# Altium PCB Rat Social Box Extension.PcbDoc (continued)
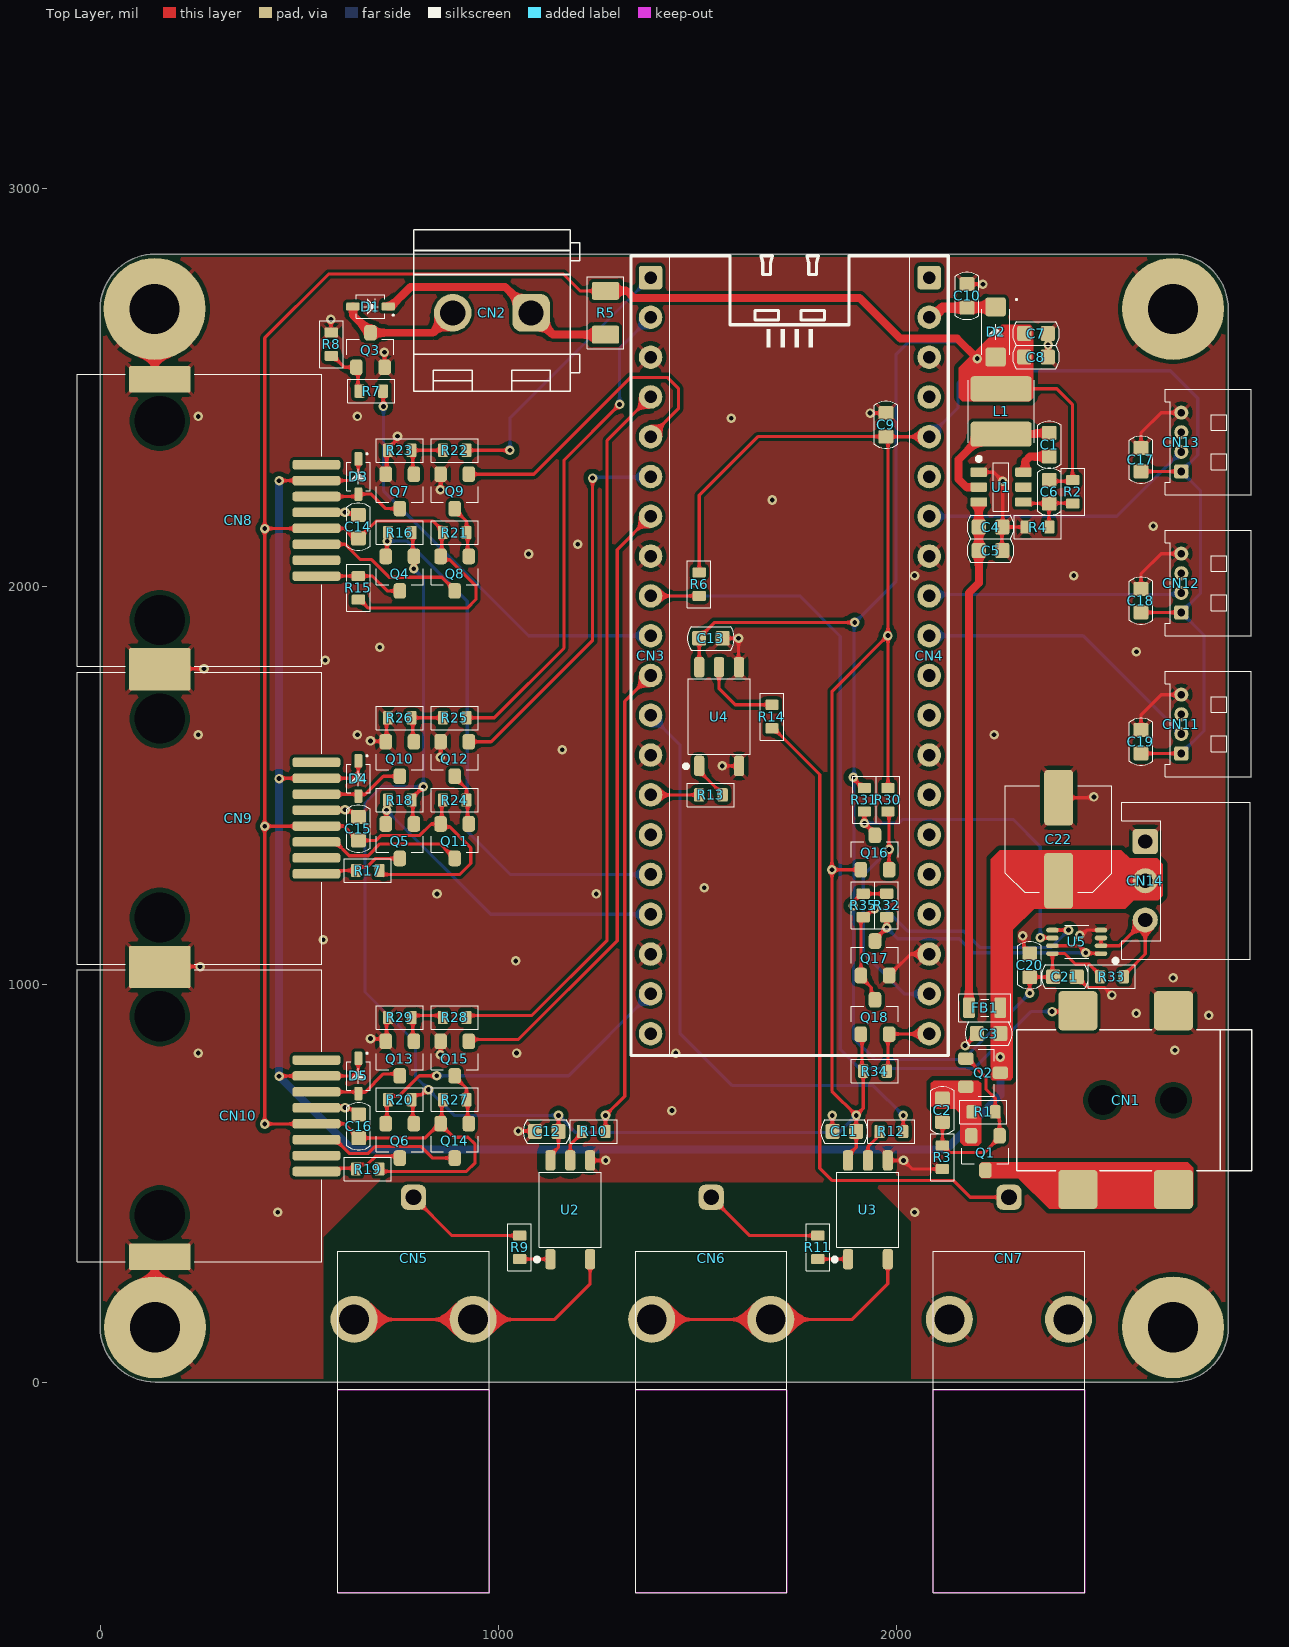
[diagram p0: Top Layer view]
## Part data
C1 C2 C5 C11 C12 C13 C21: library part CMP-611-0027-24, "0603 Multilayer Ceramic Capacitors MLCC", Capacitor Type=Ceramic, Case/Package=0603, Dielectric=X7R, LCSC Part N.=C14663, PartNumber=CC0603KRX7R9BB104, Tolerance=10%, Voltage Rating=50V, Mount=SMD, Pick&PlaceFootprint=C0603, RoHS=Yes
C3 C4 C9 C10 C14 C15 C16 C17 C18 C19 C20: library part CMP-611-0050-6, "0603 Multilayer Ceramic Capacitors MLCC", Capacitor Type=Ceramic, Case/Package=0603, Dielectric=X5R, LCSC Part N.=C96446, PartNumber=CL10A106MA8NRNC, Tolerance=20%, Voltage Rating=25V, Mount=SMD, Pick&PlaceFootprint=C0603, RoHS=Yes
C6: library part CMP-611-0038-6, "0603 Multilayer Ceramic Capacitors MLCC", Capacitor Type=Ceramic, Case/Package=0603, Dielectric=C0G, LCSC Part N.=C14858, PartNumber=CL10C101JB8NNNC, Tolerance=5%, Voltage Rating=50V, Mount=SMD, Pick&PlaceFootprint=C0603, RoHS=Yes
C7 C8: library part CMP-611-0054-4, "0603 Multilayer Ceramic Capacitors MLCC", Capacitor Type=Ceramic, Case/Package=0603, Dielectric=X5R, LCSC Part N.=C59461, PartNumber=CL10A226MQ8NRNC, Tolerance=20%, Voltage Rating=6.3V, Mount=SMD, Pick&PlaceFootprint=C0603, RoHS=Yes
C22: library part CMP-610-0003-4, "25V 220uF ±20% SMD,D6.3xL7.7mm Solid Capacitors", Capacitor Type=Solid, ESR (Equivalent Series Resistance)=35mR, LCSC Part N.=C5246541, PartNumber=HV1E477M0810PZ, Tolerance=20%, Voltage Rating=25V, Mount="Surface Mount", Pick&PlaceFootprint=EC63, RoHS=Yes
CN1: library part CMP-360-0005-6, "Surface Mount, Right Angle 2.5A 24V SMD DC Power Connector", Current Rating=2.5A, LCSC Part N.=C2880543, PartNumber=DC-005-2.5A-2.0-SMT, Voltage Rating=24V, Connector Type=Jack,Power, Contact Material="Copper Alloy", Contact Plating=Tin, Gender=Male, Mount="Surface Mount", Orientation=Horizontal, Pitch=2.0mm
CN2: library part CMP-00028-6, "1x2P 20A -40℃~+105℃ 250V Green 12~22 Direct Insert 5mm 2.5 1 2 Plugin,P=5mm Screw Terminal Blocks", LCSC Part N.=C8269, PartNumber=WJ128V-5.0-2P, Gender=Male, Mount="Thought Hole", Number of Contacts=2, Number of Positions=2, Number of Rows=1, Orientation=Straight, Pitch=5mm
CN3 CN4: library part CMP-380-0017-2, "8.5mm Square Hole TH,P=2.54mm Female Headers", LCSC Part N.=C429947, PartNumber=22850120ANG1SYA01, Gender=Female, Mount=TH, Number of Contacts=20, Number of Positions=20, Number of Rows=1, Orientation=Straight, Pitch=2.54mm
CN5 CN6 CN7: library part CMP-730-0012-1, "50 Ohms, BNC Right-Angle PCB Jack Receptacle, Nickel Plated Zinc Alloy Body, Low Profile", Clock Frequency=4GHz, LCSC Part N.=C3174924, PartNumber=731000105, Voltage Rating=500V, Body Plating=Nickel, Contact Material=Gold, Contact Plating=Gold, Gender=Female, Impedance=50Ω, Insertion Loss (dB)=0.2dB, Mount="Surface Mount", Orientation="Right Angle", Termination=Solder
CN8 CN9 CN10: library part CMP-390-0000-8, "CONN MOD JACK 8P8C R/A SHIELDED", LCSC Part N.=C125076, PartNumber=6339160-1, Element Configuration=Single, Gender=Female, Number of Contacts=8, Orientation="Right Angle", Pitch=1.02mm, Shielding=Shielded, Termination=SMD/SMT
CN11 CN12 CN13: library part CMP-370-0050-2, "Conn Shrouded Header (4 Sides) HDR 4 POS 1.25mm Solder RA Side Entry Thru-Hole PicoBlade™ Tray", Current Rating=1A, LCSC Part N.=C588275, PartNumber=53048-0410, Gender=Male, Mount="Surface Mount", Number of Contacts=4, Number of Rows=1, Orientation="Right Angle", Pitch=1.25mm
CN14: library part CMP-370-0057-1, "Conn Shrouded Header (3 Sides) HDR 3 POS 2.5mm Solder RA Side Entry Thru-Hole Box", Current Rating=3A, LCSC Part N.=C263754, PartNumber=S3B-EH(LF)(SN), Contact Material="Copper, Tin", Contact Plating=Tin, Gender=Male, Mount="through hole", Number of Contacts=3, Number of Positions=3, Number of Rows=1, Orientation="Right Angle", Pitch=2.5mm
D1 D3 D4 D5: library part CMP-820-0007-2, "100V Single 1.25V@150mA 4ns 150mA SOD-323 Switching Diode", Forward Voltage=1.25V, LCSC Part N.=C2128, Max Reverse Voltage=100V, Rectified Current=150mA, Mount="Surface Mount", PartNumber=1N4148SW, Pick&PlaceFootprint=SOD-323
D2: library part CMP-821-0014-2, "Diode Schottky 60V 0.5A 2-Pin SOD-123 T/R", Forward Voltage=440mV, LCSC Part N.=C117950, Max Reverse Voltage=60V, Rectified Current=15A, Mount="Surface Mount", PartNumber=SBR0560S1-7, Pick&PlaceFootprint=SOD123
FB1: library part CMP-600-0000-6, "Ferrite Chip, 1 Function(s), 0.5A, 2 Pin(s)", Current Rating=500mA, DC Resistance-Max=300mR, LCSC Part N.=C1017, PartNumber=GZ2012D601TF
L1: library part CMP-620-0008-4, "Inductor Power Shielded Wirewound 100uH 20% 100KHz Ferrite 450mA DCR 1515 Blister T/R", DC Resistance (DCR)=1R4, LCSC Part N.=C20339, PartNumber=VLCF4020T-101MR26, RMS Current (Irms)=450mA, Saturation Current=260mA, Tolerance=20%
Q1 Q2 Q8 Q11 Q14: library part CMP-810-0003-2, "30V 4A 44mΩ@10V,4.3A 1.4W 1.3V@250uA 1 PChannel SOT-23-3L MOSFETs", Drain Current (Id)=-4A, Drain-Source Voltage (Vds)=-30V, Gate-Source Voltage (Vgs)=12V, LCSC Part N.=C15127, Power Dissipation=1.4W, Mount="Surface Mount", PartNumber=AO3401A, Pick&PlaceFootprint=SOT-23, Polarity="P Channel", RDS(ON)=44mR, Switching Time=60ns
Q3 Q7 Q10 Q13: library part CMP-810-0000-7, "160V 300mW 200@10mA 5V 600mA NPN SOT-23 Bipolar Transistor", Collector Current (IC)=600mA, Collector-Base Voltage (VCBO)=180V, Collector-Emitter Voltage( VCEO)=160V, Emitter-Base Voltage  (VEBO)=6V, LCSC Part N.=C2145, Power Dissipation=300mW, Transition Frequency=100MHz, Mount="Surface Mount", PartNumber=MMBT5551, Pick&PlaceFootprint=SOT-23, Polarity=NPN
Q4 Q5 Q6 Q9 Q12 Q15 Q16 Q17 Q18: library part CMP-810-0002-2, "30V 5.7A 26.5mΩ@10V,5.7A 1.4W 1.5V@250uA 1 NChannel SOT-23-3L MOSFETs", Drain Current (Id)=5.7A, Drain-Source Voltage (Vds)=30V, Gate-Source Voltage (Vgs)=12V, LCSC Part N.=C20917, Power Dissipation=1.4W, Mount="Surface Mount", PartNumber=AO3400A, Pick&PlaceFootprint=SOT-23, Polarity="N Channel", RDS(ON)=26.5mR, Switching Time=34.5ns
R1 R21 R24 R27: library part CMP-633-0066-20, "100mW Thick Film Resistors 75V ±100ppm/℃ ±1% 0603 Chip Resistor", Case/Package=0603, LCSC Part N.=C22935, Number of Resistors=1, PartNumber=0603WAF1004T5E, Power Rating=100mW, Tolerance=1%, Voltage Rating=75V, Mount="Surface Mount", Pick&PlaceFootprint=R0603
R2: library part CMP-633-0126-1, "100mW Thick Film Resistors 75V ±100ppm/℃ ±1% 0603 Chip Resistor", Case/Package=0603, LCSC Part N.=C4184, Number of Resistors=1, PartNumber=0603WAF2002T5E, Power Rating=100mW, Tolerance=1%, Voltage Rating=75V, Mount="Surface Mount", Pick&PlaceFootprint=R0603
R3 R6 R8 R23 R26 R29: library part CMP-633-0000-28, "100mW Thick Film Resistors 75V ±100ppm/℃ ±1% 0603 Chip Resistor", Case/Package=0603, LCSC Part N.=C25803, Number of Resistors=1, PartNumber=0603WAF1003T5E, Power Rating=100mW, Tolerance=1%, Voltage Rating=75V, Mount="Surface Mount", Pick&PlaceFootprint=R0603
R4: library part CMP-633-0031-25, "100mW Thick Film Resistors 75V ±100ppm/℃ ±1% 0603 Chip Resistor", Case/Package=0603, LCSC Part N.=C13167, Number of Resistors=1, PartNumber=0603WAF2701T5E, Power Rating=100mW, Tolerance=1%, Voltage Rating=75V, Mount="Surface Mount", Pick&PlaceFootprint=R0603
R5: library part CMP-633-0050-10, "250mW Thick Film Resistors 200V ±800ppm/℃ ±1% 0Ω 1206 Chip Resistor", Case/Package=1206, LCSC Part N.=C17888, Number of Resistors=1, PartNumber=1206W4F0000T5E, Power Rating=250mW, Tolerance=1%, Voltage Rating=200V, Mount="Surface Mount", Pick&PlaceFootprint=1206
R7 R10 R12 R14 R22 R25 R28: library part CMP-633-0013-26, "100mW Thick Film Resistors 75V ±100ppm/℃ ±1% 0603 Chip Resistor", Case/Package=0603, LCSC Part N.=C21190, Number of Resistors=1, PartNumber=0603WAF1001T5E, Power Rating=100mW, Tolerance=1%, Voltage Rating=75V, Mount="Surface Mount", Pick&PlaceFootprint=R0603
R9 R11 R13: library part CMP-633-0020-24, "100mW Thick Film Resistors 75V ±100ppm/℃ ±1% 0603 Chip Resistor", Case/Package=0603, LCSC Part N.=C23179, Number of Resistors=1, PartNumber=0603WAF4700T5E, Power Rating=100mW, Tolerance=1%, Voltage Rating=75V, Mount="Surface Mount", Pick&PlaceFootprint=R0603
R15 R16 R17 R18 R19 R20: library part CMP-633-0002-26, "100mW Thick Film Resistors 75V ±100ppm/℃ ±1% 0603 Chip Resistor", Case/Package=0603, LCSC Part N.=C25804, Number of Resistors=1, PartNumber=0603WAF1002T5E, Power Rating=100mW, Tolerance=1%, Voltage Rating=75V, Mount="Surface Mount", Pick&PlaceFootprint=R0603
R30 R31 R32 R33 R34 R35: library part CMP-633-0070-21, "100mW Thick Film Resistors 75V ±100ppm/℃ ±1% 0603 Chip Resistor", Case/Package=0603, LCSC Part N.=C4190, Number of Resistors=1, PartNumber=0603WAF2201T5E, Power Rating=100mW, Tolerance=1%, Voltage Rating=75V, Mount="Surface Mount", Pick&PlaceFootprint=R0603
U1: library part CMP-970-0042-1, "Switching Regulator, Current-mode, 2A, 500kHz Switching Freq-Max, PDSO6", LCSC Part N.=C191884, Max Input Voltage=28V, Max Output current=2A, Min Input Voltage=4.5V, PartNumber=TPS54202DDCR, Reference Voltage=0.596V, Switching Frequency=590kHz, Line Regulation=0.1%, Load Regulation=0.1%, Max Output Voltage=28V, Pick&PlaceFootprint=SOT23-6, RDS(ON)=148mR, Switcher Configuration=BUCK
U2 U3 U4: library part CMP-530-0005-1, "Logic IC Output Optocoupler, 1-Channel, 1-Element, 3750V Isolation, 20MBps", Forward Current=10mA, Forward Voltage=1.5V, LCSC Part N.=C107626, PartNumber=TLP2361(TPL,E(T, Direction=Unidirectional, Fall Time=3ns, Output Current per Channel=10mA, Propagation Delay=80ns
U5: library part CMP-9C0-0006-1, "Buffer/Line Driver 2-CH Non-Inverting 3-ST CMOS 8-Pin VSSOP T/R", High Level Output Current=-32mA, LCSC Part N.=C10430, Low Level Output Current=32mA, Max Supply Voltage=5.5V, Min Supply Voltage=1.65V, PartNumber=SN74LVC2G241DCUR, Number of Channels=2, Pick&PlaceFootprint=VSSOP8, Turn-On Delay Time=12.5ns

## Free pads (board coordinates)
  round 255.91 hole 125.98: 0(136.81,2696.85) 0(137.8,137.8) 0(2695.87,137.8) 0(2695.87,2696.85)

## Via types
v1: diameter 24, hole 12, Top Layer to Bottom Layer, tented both sides, 95 vias

## Nets (pads, with @x,y where several pads share a name; then routed paths per layer and width w, separated by ;. In a path a pad name is that pad's centre, name@x,y a point inside that pad or via, vN(x,y) a via of type N, cw(c..) or ccw(c..) an arc to the next point about the centre after c; other vN are vias at no path point)
3V3: C9.2 C11.2 C12.2 C17.2 C18.2 C19.2 CN4.5 CN11.1 CN12.1 CN13.1 Q4.1 Q5.1 Q6.1 Q16.1 Q18.1 R6.2 R16.2 R18.2 R20.2 R30.2 R34.2 U2.6 U3.6 | length 8606.2
  Top Layer w8: R16.2 785.43,2131.89 785.43,2077.76 Q4.1 788.14,2074.56 788.14,2043.88 v1(787.89,2043.64) ; Q6.1@788.39,654.53 785.43,657.48 785.43,711.61 782.48,714.57 789.78,721.87 807.28,721.87 820.56,735.15 v1(824.89,735.15) ; Q5.1 785.43,1405.51 785.43,1459.65 R18.2 782.48,1466.54 v1(812.01,1496.06) ; U2.6 1131.1,569.88 1151.57,590.35 C12.2 v1(1151.57,670.28) ; R6.2 1505.12,2228.54 1652.56,2375.98 C9.2 C9.2@1974.8,2375.59 ; U3.6 1879.13,569.88 1899.61,590.35 C11.2 v1(1899.61,670.28) ; Q18.1 1914.37,871.06 1914.37,784.45 R34.2 1917.32,687.99 v1(1899.61,670.28) ; Q16.1 v1(1838.58,1287.4) ; R30.2 v1(1979.33,1875.98) ; CN4.5 C9.2@1974.8,2375.59 ; C19.2 CN11.1 ; C18.2 CN12.1 ; C17.2 CN13.1 ; v1(1838.58,1287.4) 1838.58,1735.24 v1(1979.33,1875.98) ; v1(1838.58,1287.4) 1838.58,731.3 v1(1899.61,670.28) ; C9.2@1974.8,2375.59 1979.33,2371.06 v1(1979.33,1875.98)
  Bottom Layer w8: v1(787.89,2043.64) 812.01,2019.52 v1(812.01,1496.06) 706.69,1496.06 665.35,1454.72 665.35,980.32 792.32,853.35 792.32,767.72 v1(824.89,735.15) 889.76,670.28 v1(1151.57,670.28) 1194.88,626.97 1856.3,626.97 v1(1899.61,670.28) ; CN4.5 2155.51,2448.23 2155.51,2510.83 2186.02,2541.34 2688.98,2541.34 2757.87,2472.44 2757.87,2329.72 CN13.1 2764.76,2240.16 2764.76,1982.28 CN12.1 2773.62,1876.97 2773.62,1636.81 CN11.1
5V: C6.2 C7.2 C8.2 C13.2 C14.2 C15.2 C16.2 C20.2 C21.2 CN8.4 CN9.4 CN10.4 D2.2 L1.2 Q8.2 Q11.2 Q14.2 R2.2 R5.2 R15.2 R17.2 R19.2 R21.2 R24.2 R27.2 R31.2 R32.2 R33.2 R35.2 U4.6 U5.8 | length 10724.2
  Top Layer w8: C14.2@647.87,2109.25 622.87,2134.25 622.87,2135 612.52,2145.35 CN8.4 542.97,2145.02 413.72,2145.02 v1(413.39,2144.68) ; R15.2 652.56,1966.3 673.98,1944.88 922.24,1944.88 943.9,1966.54 943.9,2000.98 878.38,2066.51 866.57,2066.51 Q8.2@858.27,2074.8 ; C14.2 649.61,2120.08 692.96,2163.43 836.57,2163.43 861.22,2138.78 R21.2 858.27,2131.89 858.27,2077.76 Q8.2 ; R17.2@692.98,1272.7 701.77,1281.5 R17.2@701.77,1284.39 ; R19.2 707.68,529.53 920.28,529.53 941.93,551.18 941.93,597.44 924.21,615.16 887.92,615.16 869.16,633.92 Q14.2@855.32,647.77 ; R17.2 R17.2@701.77,1284.39 ; Q14.2@853.77,651.15 841.47,638.84 815.82,613.19 C16.2 648.85,613.19 635.17,626.87 635.17,627.62 613.5,649.29 CN10.4 542.97,648.96 413.72,648.96 v1(413.39,648.62) v1(413.39,1396.65) ; Q14.2@855.32,654.53 858.27,657.48 858.27,711.61 R27.2@861.22,714.57 ; R24.2 858.27,1459.65 858.27,1405.51 Q11.2 ; R5.2 1205.71,2742.12 1163.39,2784.45 573.82,2784.45 413.39,2624.02 v1(413.39,2144.68) ; U4.6 C13.2 1505.12,1870.08 1544,1908.96 v1(1896.17,1908.96) ; v1(1892.72,1196.85) 1895.78,1199.91 1895.78,1209.75 1913.39,1227.36 R32.2 ; v1@1893.7,1515.75 1916.34,1493.11 R31.2 ; L1.2 2403.54,2496.06 2442.91,2456.69 2442.91,2263.78 2390.75,2263.78 C6.2@2383.86,2270.67 ; v1(2335.63,977.36) C20.2 2393.7,1017.72 C21.2 2392.72,1020.67 U5.8 2424.21,1076.77 2450.79,1050.2 2485.24,1050.2 2512.8,1022.64 R33.2 ; v1(413.39,1396.65) v1(413.39,2144.68) ; v1(413.39,1396.65) 413.72,1396.99 542.97,1396.99 CN9.4 612.52,1397.32 622.87,1386.97 622.87,1386.22 647.87,1361.22 C15.2 693.39,1361.22 706.04,1373.87 803.25,1373.87 831.93,1402.56 Q11.2 ; R17.2@701.77,1284.39 710.57,1275.59 903.54,1275.59 931.1,1303.15 931.1,1342.52 878.38,1395.25 862.63,1395.25 Q11.2
  Top Layer w20: R5.2 1322.84,2742.12 1340.55,2724.41 1908.46,2724.41 2010.83,2622.05 2153.54,2622.05 v1(2203.74,2571.85)
  Bottom Layer w8: v1(2203.74,2571.85) 2198.82,2571.85 2156.55,2614.12 2031.44,2614.12 2000,2582.68 2000,2012.8 1894.44,1907.24 1894.44,1519.79 1894.44,1198.58 v1(1892.72,1196.85) 1892.72,864.17 1945.87,811.02 2169.29,811.02 v1(2335.63,977.36)
  other v1: 1892.33,1519.79
12V: C3.2 C22.1 CN8.7 CN9.7 CN10.7 CN14.2 D3.1 D4.1 D5.1 FB1.1 Q2.3 | length 4247.1
  Top Layer w8: v1(449.47,768.64) 450.12,769.29 CN10.7 632.48,769.29 648.62,785.43 D5.1@648.62,812.99 ; v1(449.47,1516.67) 450.12,1517.32 CN9.7 632.48,1517.32 648.62,1533.46 D4.1 ; v1(449.47,2264.7) 450.12,2265.35 CN8.7 632.48,2265.35 648.62,2281.5 D3.1@648.62,2309.06 ; C22.1@2408.46,1246.6 C22.1@2408.46,1255.91
  Bottom Layer w20: v1(449.47,2264.7) v1(449.47,1516.67) v1(449.47,768.64) 633.46,584.65 2125,584.65 2261.81,721.46 v1(2261.81,816.93)
BEAM1: CN8.1 Q4.3 R15.1 | length 225
  Top Layer w8: CN8.1 R15.1 684.29,2025.35 721.46,1988.19 Q4.3
BEAM2: CN9.1 Q5.3 R17.1 | length 226.1
  Top Layer w8: CN9.1 592.42,1277.32 600.53,1285.43 R17.1 642.72,1286.17 651.51,1294.97 670.92,1294.97 691.9,1315.94 Q5.3
BEAM3: CN10.1 Q6.3 R19.1 | length 226.1
  Top Layer w8: CN10.1 592.42,529.29 600.53,537.4 642.72,537.4 642.72,538.14 651.51,546.94 670.92,546.94 691.9,567.91 Q6.3@752.95,567.91
BNC.IN1: CN3.11 R10.2 | length 1193.8
  Top Layer w8: R10.2 v1(1269.69,670.28) 1317.91,718.51 1317.91,1710.63 1380.7,1773.42 1382.87,1773.42 CN3.11
BNC.IN2: CN3.12 R12.2 | length 1516.2
  Top Layer w8: R12.2 v1(2017.72,670.28)
  Bottom Layer w8: CN3.12 1456.69,1601.77 1456.69,876.97 1588.58,745.08 1942.92,745.08 v1(2017.72,670.28)
BNC.OUT: CN3.14 R13.2 | length 122.2
  Top Layer w8: CN3.14 R13.2
BUZZER: CN3.10 R7.2 | length 1075.6
  Top Layer w8: R7.2 711.12,2489.67 711.12,2452.26 v1(711.61,2451.77)
  Bottom Layer w8: v1@711.61,2454.72 v1(711.61,2451.77) 711.61,2240.16 1076.18,1875.59 CN3.10
DC_DET: CN1.3 CN3.9 R6.1 | length 2355.4
  Top Layer w8: CN3.9 R6.1 ; v1(2391.73,931.1) 2454.72,931.1 CN1.3
  Bottom Layer w8: CN3.9 1757.68,1975.59 1859.58,1873.68 1859.58,836.28 1907.48,788.39 2195.87,788.39 2338.58,931.1 v1(2391.73,931.1)
GND: C3.1 C4.1 C5.1 C7.1 C8.1 C9.1 C10.1 C11.1 C12.1 C13.1 C14.1 C15.1 C16.1 C17.1 C18.1 C19.1 C20.1 C21.1 C22.2 CN1.2 CN3.3 CN3.8 CN3.13 CN3.18 CN4.3 CN4.8 CN4.13 CN4.18 CN7.2 CN8.0 CN8.5 CN9.0 CN9.5 CN10.0 CN10.5 CN11.4 CN12.4 CN13.4 CN14.1 pad.0 Q3.2 Q7.2 Q9.2 Q10.2 Q12.2 Q13.2 Q15.2 Q17.2 R3.1 R4.1 R8.1 R23.1 R26.1 R29.1 U1.1 U2.4 U3.4 U4.3 U4.4 U5.4 | length 3163.7
  Top Layer w8: pad.0@136.81,137.8 136.81,302.17 CN10.0@149.61,314.96 ; pad.0@136.81,2696.85 136.81,2532.48 CN8.0@149.61,2519.68 ; CN10.0@210.63,1044.29 v1(250.99,1044.29) ; CN9.0@220.47,1792.32 v1(260.83,1792.32) ; CN10.5@542.32,689.29 542.66,689.63 614.82,689.63 v1(615.16,689.96) 619.49,689.96 623.75,685.7 634.19,685.7 C16.1@647.64,672.24 ; CN9.5@542.32,1437.32 542.66,1437.66 614.82,1437.66 v1(615.16,1437.99) 619.49,1437.99 623.75,1433.73 634.19,1433.73 C15.1@647.64,1420.28 ; CN8.5@542.32,2185.35 542.66,2185.69 614.82,2185.69 v1(615.16,2186.02) 619.49,2186.02 623.75,2181.76 634.19,2181.76 C14.1@647.64,2168.31 ; v1(579.72,2670.28) 579.72,2638.78 R8.1 ; v1(679.13,863.19) 680.12,862.2 Q13.2@717.52,862.2 ; v1(679.13,1611.22) 680.12,1610.24 Q10.2@717.52,1610.24 ; Q3.2 v1@714.57,2587.6 ; Q13.2@716.54,861.22 719.49,864.17 719.49,918.31 R29.1@722.44,921.26 ; Q10.2@716.54,1609.25 719.49,1612.2 719.49,1666.34 R26.1@722.44,1669.29 ; Q7.2@716.54,2281.5 720.47,2285.43 720.47,2344.49 717.52,2347.44 725.39,2347.44 743.99,2366.03 743.99,2373.91 v1(747.05,2376.97) ; Q7.2@719.49,2284.45 R23.1@719.49,2338.58 ; v1(854.82,822.34) 855.81,823.33 Q15.2@855.81,860.73 ; v1(854.82,1570.37) 855.81,1571.36 Q12.2@855.81,1608.76 ; v1(854.82,2242.62) 855.81,2243.6 Q9.2@855.81,2281 ; v1(1050.2,630.91) 1090.55,630.91 C12.1@1091.54,629.92 ; U2.4@1230.12,557.09 v1(1270.47,557.09) ; v1@1562.01,1548.43 U4.3@1603.06,1548.43 ; C13.1@1563.73,1869.63 1564.26,1869.09 1605.31,1869.09 v1@1604.72,1868.5 ; U4.4@1604.13,1796.46 U4.4@1604.72,1797.05 ; U4.4@1604.13,1797.05 v1@1604.13,1868.5 ; C11.1@1839.57,629.92 v1(1839.57,670.28) ; v1@1933.36,2435.04 C9.1 ; U3.4@1978.15,557.09 v1(2018.51,557.09) 2040.16,535.43 R3.1@2115.16,535.43 ; Q17.2 1982.28,1023.49 1993.74,1034.95 1995.58,1034.95 2036.22,1075.59 CN4.18 ; v1(2173.23,845.74) 2173.36,845.74 2201.77,874.15 C3.1@2201.77,875.98 ; C10.1 v1@2219.2,2758.86 ; U1.1@2207.77,2286.42 2245.08,2286.42 v1(2267.72,2263.78) 2267.72,2150.59 C4.1@2265.75,2148.62 ; C5.1@2265.75,2089.57 C4.1@2265.75,2148.62 ; v1(2317.91,1121.06) 2320.97,1118 2320.97,1090.44 C20.1@2334.65,1076.77 ; R4.1@2324.8,2148.62 C4.1@2265.75,2148.62 ; C8.1 2381.89,2576.77 2381.89,2633.86 C7.1 ; C22.2@2407.48,1468.5 2495.08,1468.5 v1(2497.05,1470.47) ; C21.1@2456.31,1016.79 2456.31,1014.4 2466.44,1004.26 2468.83,1004.26 2481.81,991.28 2523.48,991.28 v1(2542.32,972.44) ; v1(2461.61,1123.03) 2465.94,1123.03 2478.74,1135.83 U5.4@2513.78,1135.83 ; C19.1 2615.16,1676.18 2666.34,1727.36 CN11.4 ; C18.1 2615.16,2030.51 2666.34,2081.69 CN12.4 ; C17.1 2615.16,2384.84 2666.34,2436.02 CN13.4
  other v1: 446.23,426.75 2046.23,426.75 1436.65,682.26 246.23,826.75 1046.23,826.75 1446.23,826.75 2700.63,833.83 2785.28,921.43 2603.19,926.35 2695.87,1015.75 1043.93,1058.25 560.67,1111.63 846.23,1226.75 1246.23,1226.75 1517.72,1242.13 1563.19,1548.43 1161.06,1588.76 246.23,1626.75 646.23,1626.75 2246.23,1626.75 565.59,1814.15 2603.89,1835.54 702.4,1846.63 1604.13,1869.09 2046.23,2026.75 2446.23,2026.75 1076.41,2080.89 1199.8,2105.32 2646.19,2151.14 1688.98,2216.54 1585.63,2422.24 246.23,2426.75 646.23,2426.75 1934.54,2435.04 714.07,2588.09 2381.89,2606.3 2218.02,2758.86
LED1: CN8.3 Q8.3 | length 397.1
  Top Layer w8: CN8.3 615.35,2105.35 653.98,2066.72 682.05,2066.72 726.14,2022.64 858.14,2022.64 890.75,1990.03 Q8.3
LED2: CN9.3 Q11.3 | length 390.1
  Top Layer w8: CN9.3 591.34,1357.32 625.83,1322.83 673.39,1322.83 702.91,1352.36 854.33,1352.36 877.45,1329.24 879.29,1329.24 890.75,1317.79 Q11.3
LED3: CN10.3 Q14.3 | length 380.6
  Top Layer w8: CN10.3 591.34,609.29 625.83,574.8 673.39,574.8 690.26,591.68 806.95,591.68 835.63,562.99 Q14.3
NetC1_1: C1.1 L1.1 U1.2 | length 364.6
  Top Layer w20: U1.2 2176.18,2249.02 2156.5,2268.7 2156.5,2317.91 2220.47,2381.89 2350.39,2381.89 2353.35,2384.84 C1.1
NetC1_2: C1.2 U1.6 | length 96.4
  Top Layer w20: U1.6 2322.61,2286.42 2324.43,2288.23 2324.43,2314.07 2336.14,2325.79 C1.2
NetC2_1: C2.1 Q1.1 Q2.1 R1.1 R3.2 | length 461.2
  Top Layer w8: C2.1 R3.2 2133.86,576.77 2221.46,576.77 2259.84,615.16 Q1.1 2259.84,664.37 2249.02,675.2 R1.1 2249.02,713.09 2225.58,736.52 2225.58,766.54 2179.13,812.99 Q2.1
NetC2_2: C2.2 Q1.2 Q2.2 R1.2
NetC4_2: C4.2 C5.2 FB1.2 U1.3 | length 1280.9
  Top Layer w20: FB1.2 2183.07,1983.27 2207.68,2007.87 C5.2 C4.2 U1.3
NetC6_1: C6.1 R2.1 R4.2 U1.4 | length 180.1
  Top Layer w8: U1.4 2323.33,2208.17 2383.86,2208.17 R4.2@2383.86,2152.56 ; C6.1@2384.84,2208.66 R2.1@2443.9,2208.66
NetC10_2: C10.2 CN4.2 D2.1 | length 178
  Top Layer w25: CN4.2 2092.09,2675.59 2116.3,2699.8 C10.2 2179.13,2700.79 2249.02,2700.79 D2.1
NetCN1_1: CN1.1 Q1.3
NetCN2_1: CN2.1 D1.1 R5.1 | length 616.4
  Top Layer w20: D1.1 730.32,2702.76 779.53,2751.97 1017.72,2751.97 CN2.1 1137.8,2631.89 R5.1
NetCN2_2: CN2.2 D1.2 Q3.3 | length 312.9
  Top Layer w20: D1.2@635.32,2702.57 635.32,2680.91 666.32,2649.92 668.16,2649.92 679.62,2638.46 Q3.3@679.62,2636.81 ; Q3.3 Q3.3@679.62,2636.81 ; Q3.3@679.62,2636.62 Q3.3@679.62,2636.81 ; CN2.2 835.63,2636.81 Q3.3@679.62,2636.81
NetCN4_19: CN4.19 Q16.2 R30.1 | length 642.9
  Top Layer w8: R30.1 1982.28,1431.1 Q16.2
  Bottom Layer w8: v1(1982.28,1338.58) 1917.32,1273.62 1917.32,1078.74 2020.47,975.59 CN4.19
NetCN4_20: CN4.20 Q18.2 R34.1 | length 196.2
  Top Layer w8: R34.1 1979.33,784.45 1979.33,871.06 Q18.2 1983.07,874.8 2082.09,874.8 CN4.20
NetCN5_1: CN5.1 R9.1 | length 307.7
  Top Layer w8: CN5.1 883.86,368.11 R9.1@1055.12,368.11
NetCN5_2: CN5.2 U2.3 | length 692.5
  Top Layer w8: CN5.2@637.8,157.48 937.01,157.48 1141.73,157.48 1231.1,246.85 U2.3
NetCN6_1: CN6.1 R11.1 | length 307.7
  Top Layer w8: CN6.1 1631.89,368.11 R11.1
NetCN6_2: CN6.2 U3.3 | length 692.5
  Top Layer w8: CN6.2@1385.83,157.48 1685.04,157.48 1889.76,157.48 1979.13,246.85 U3.3
NetCN7_1: CN7.1 R14.1 | length 1663.1
  Top Layer w8: R14.1 1691.93,1642.91 1808.07,1526.77 1808.07,537.4 1838.58,506.89 2143.7,506.89 2186.02,464.57 CN7.1
NetCN14_3: CN14.3 R33.1 U5.2 U5.3 | length 320.6
  Top Layer w8: U5.3 U5.2 2561.02,1096.46 CN14.3 2625.98,1075.79 2581.63,1031.43 2580.65,1031.43 2571.85,1022.64 R33.1@2571.85,1021.65
NetQ3_1: Q3.1 R7.1 R8.2 | length 138.1
  Top Layer w8: R8.2 584.65,2578.74 613.19,2550.2 Q3.1 647.64,2546.26 647.64,2494.09 R7.1
NetQ7_1: Q7.1 R22.1 R23.2 | length 141.2
  Top Layer w8: Q7.1 785.43,2284.45 785.43,2338.58 R23.2 R22.1
NetQ8_1: Q8.1 Q9.3 R21.1 | length 134.8
  Top Layer w8: Q9.3 890.75,2193.04 920.28,2163.51 R21.1 923.23,2131.89 923.23,2077.76 Q8.1
NetQ10_1: Q10.1 R25.1 R26.2 | length 141.2
  Top Layer w8: Q10.1 785.43,1612.2 785.43,1666.34 R26.2 R25.1
NetQ11_1: Q11.1 Q12.3 R24.1 | length 134.8
  Top Layer w8: Q12.3 890.75,1520.8 913.51,1498.03 913.58,1498.03 920.28,1491.33 R24.1 923.23,1459.65 923.23,1405.51 Q11.1
NetQ13_1: Q13.1 R28.1 R29.2 | length 141.2
  Top Layer w8: Q13.1@788.39,861.22 785.43,864.17 785.43,918.31 782.48,921.26 R28.1@861.22,921.26
NetQ14_1: Q14.1 Q15.3 R27.1 | length 128
  Top Layer w8: Q15.3@890.75,767.84 920.28,738.32 920.28,714.57 923.23,711.61 923.23,657.48 Q14.1@926.18,654.53
NetQ16_3: Q16.3 R31.1 U5.6 | length 804.6
  Top Layer w8: R31.1 v1(1920.28,1404.53) 1946.85,1377.95 Q16.3 ; v1(2362.2,1117.13) 2362.7,1116.63 2392.22,1116.63 U5.6
  Bottom Layer w8: v1(1920.28,1404.53) 2006.92,1404.53 2016.51,1414.12 2293.56,1414.12 2362.2,1345.47 v1(2362.2,1117.13)
NetQ17_1: Q17.1 Q18.3 R35.1 U5.5 | length 848
  Top Layer w8: R35.1 1911.42,1162.4 Q17.1 1911.42,1017.72 1937.49,991.64 1937.49,969.99 Q18.3 ; R35.1@1917.32,1170.28 1923.23,1170.28 1942.91,1189.96 v1(1945.87,1189.96) ; U5.5 v1(2433.07,1135.83)
  Bottom Layer w8: v1(1945.87,1189.96) 1947.29,1188.54 1973.87,1188.54 2029.53,1132.87 2170.28,1132.87 2211.41,1091.74 2388.99,1091.74 v1(2433.07,1135.83)
NetQ17_3: Q17.3 R32.1 U5.1 U5.7 | length 728.6
  Top Layer w8: Q17.3 1946.85,1112.2 v1(1976.38,1141.73) R32.1 ; U5.7@2388.78,1096.46 2458.66,1096.46 v1(2476.38,1078.74) 2477.62,1077.5 2510.1,1077.5 U5.1@2510.83,1076.77
  Bottom Layer w8: v1(1976.38,1141.73) 2003.99,1114.12 2158.52,1114.12 2193.9,1078.74 v1(2476.38,1078.74)
NetR9_2: R9.2 U2.1 | length 76
  Top Layer w8: R9.2@1055.12,309.06 U2.1
NetR10_1: R10.1 U2.5 | length 85.1
  Top Layer w8: U2.5 1181.1,596.46 1210.63,625.98 R10.1
NetR11_2: R11.2 U3.1 | length 76
  Top Layer w8: R11.2 U3.1
NetR12_1: R12.1 U3.5 | length 85.1
  Top Layer w8: U3.5 1929.13,591.54 1949.87,612.27 1949.87,621.13 R12.1
NetR13_1: R13.1 U4.1 | length 99
  Top Layer w8: U4.1 1505.12,1535.63 1552.43,1488.32 1555.38,1488.32 1564.17,1479.53 R13.1
NetR14_2: R14.2 U4.5 | length 203.8
  Top Layer w8: U4.5 1555.12,1742.13 1595.28,1701.97 R14.2
POKE.BEAM.1: CN3.16 Q4.2 R16.1 | length 1430.7
  Top Layer w8: Q4.2 720.47,2077.76 720.47,2131.89 R16.1 ; v1(721.46,2113.19) 722.44,2114.17 722.44,2132.87 R16.1@721.95,2133.37
  Bottom Layer w8: v1(721.46,2113.19) 771.65,2113.19 922.24,1962.6 922.24,1383.86 1030.51,1275.59 CN3.16
POKE.BEAM.2: CN3.17 Q5.2 R18.1 | length 851.8
  Top Layer w8: Q5.2 720.47,1405.51 718.5,1407.48 718.5,1436.02 v1(719.49,1437.01) ; v1@720.47,1440.94 720.47,1459.65 R18.1 ; v1@723.43,1440.94 721.46,1442.91 721.46,1457.68 R18.1@723.43,1459.65
  Bottom Layer w8: v1(719.49,1437.01) 980.91,1175.59 CN3.17
POKE.BEAM.3: CN3.19 Q6.2 R20.1 | length 825.1
  Top Layer w8: Q6.2@717.52,654.53 720.47,657.48 720.47,706.69 R20.1 ; R20.1@723.43,714.57 728.04,719.18 751.63,719.18 802.14,769.68 v1(845.47,769.68)
  Bottom Layer w8: v1(845.47,769.68) 1176.97,769.68 CN3.19
POKE.LED.1: CN3.5 Q9.1 | length 789.1
  Top Layer w8: Q9.1 1089.57,2281.5 1332.68,2524.61 1425.2,2524.61 1452.76,2497.05 1452.76,2445.47 CN3.5
POKE.LED.2: CN3.6 Q12.1 | length 971.4
  Top Layer w8: Q12.1 982.28,1609.25 1237.2,1864.17 v1(1237.2,2271.65)
  Bottom Layer w8: v1(1237.2,2271.65) 1239.17,2273.62 1380.91,2273.62 CN3.6
POKE.LED.3: CN3.7 Q15.1 | length 1576.8
  Top Layer w8: Q15.1@926.18,861.22 1051.18,861.22 1299.21,1109.25 1299.21,2091.93 CN3.7
POKE.VALVE.1: CN3.1 R22.2 | length 689.7
  Top Layer w8: R22.2 v1(1029.53,2341.54)
  Bottom Layer w8: v1(1029.53,2341.54) 1029.53,2422.24 CN3.1
POKE.VALVE.2: CN3.2 R25.2 | length 1238.8
  Top Layer w8: R25.2 990.16,1669.29 1165.35,1844.49 1165.35,2316.93 v1(1305.12,2456.69)
  Bottom Layer w8: v1(1305.12,2456.69) 1305.12,2597.83 CN3.2
POKE.VALVE.3: CN3.4 R28.2 | length 1842.2
  Top Layer w8: R28.2@920.28,921.26 1084.65,921.26 1273.62,1110.24 1273.62,2366.34 CN3.4
SNSR.1: CN4.10 CN11.2 | length 735.8
  Bottom Layer w8: CN4.10 2469.88,1875.59 CN11.2
SNSR.2: CN4.9 CN12.2 | length 636.8
  Bottom Layer w8: CN4.9 2086.71,1979.43 2712.7,1979.43 CN12.2
SNSR.3: CN4.7 CN13.2 | length 700.8
  Bottom Layer w8: CN4.7 2554.53,2175.59 CN13.2
VALVE1: CN8.6 D3.2 Q7.3 | length 227.3
  Top Layer w8: CN8.6 642.78,2225.35 648.62,2231.2 D3.2 681.1,2231.3 717.52,2194.88 Q7.3
VALVE2: CN9.6 D4.2 Q10.3 | length 232.5
  Top Layer w8: CN9.6 643.74,1477.32 D4.2 652.98,1476.8 665.78,1476.8 711.61,1522.64 Q10.3
VALVE3: CN10.6 D5.2 Q13.3 | length 232.5
  Top Layer w8: CN10.6 643.74,729.29 648.62,724.41 652.98,728.77 665.78,728.77 711.61,774.61 Q13.3@752.95,774.61
pads on no net: CN1.0 CN3.15 CN3.20 CN4.1 CN4.4 CN4.6 CN4.11 CN4.12 CN4.14 CN4.15 CN4.16 CN4.17 CN8. CN8.2 CN8.8 CN9. CN9.2 CN9.8 CN10. CN10.2 CN10.8 CN11.3 CN12.3 CN13.3 U1.5

## Polygon pours and split planes (outlines as drawn)
GND on Bottom Layer "GND_L02_P001" (solid, remove dead copper, pour order 1): 0,0 0,2834.65 2834.65,2834.65 2834.65,0
GND on Top Layer "GND_L01_P000" (solid, remove dead copper, pour order 0): 0,0 0,2834.65 2834.65,2834.65 2834.65,0

## Other copper
Top Layer:
  region net 5V: 2166.38,2465.06 2335.63,2465.06 2344.49,2473.92 2344.49,2648.62 2336.61,2656.5 2264.76,2656.5 2157.41,2549.15 2157.41,2473.95
  region net 12V: 2242.13,758.86 2287.4,758.86 2293.31,764.76 2293.31,1136.81 2346.46,1189.96 2575.79,1189.96 2596.46,1210.63 2658.46,1210.63 2670.28,1222.44 2670.28,1301.18 2655.51,1315.94 2586.61,1315.94 2565.94,1336.61 2260.83,1336.61 2238.19,1313.98 2238.19,762.8
  region net NetC2_2: 2087.6,750.98 2087.6,694.88 2095.47,687.01 2148.62,687.01 2161.42,674.21 2161.42,602.36 2170.28,593.5 2205.71,593.5 2213.58,601.38 2213.58,750.98 2206.69,757.87 2094.49,757.87
  region net NetCN1_1: 2214.57,552.17 2732.28,552.17 2746.06,538.39 2746.06,445.87 2735.24,435.04 2384.84,435.04 2307.09,512.8 2215.55,512.8 2208.66,519.68 2208.66,546.26
  pour cut-out: 561.02,364.17 561.02,0 2037.4,0 2037.4,403.54 1938.98,501.97 698.82,501.97
Bottom Layer:
  pour cut-out: 561.02,364.17 561.02,0 2037.4,0 2037.4,403.54 1938.98,501.97 698.82,501.97

## Silkscreen, mask and mechanical layers (free items; w line width, h text height)
Top Overlay:
  region: 1779.86,2646.26 1779.86,2600 1790.69,2600 1790.69,2646.26
  region: 1674.07,2646.26 1674.07,2600 1684.9,2600 1684.9,2646.26
  region: 1709.34,2646.26 1709.34,2600 1720.16,2600 1720.16,2646.26
  region: 1744.6,2646.26 1744.6,2600 1755.43,2600 1755.43,2646.26
  lines w7.87: 1581.5,2830.32 1333.66,2830.32 1333.66,820.47 2131.1,820.47 2131.1,2830.32 1883.27,2830.32 ; 1582.78,2830.32 1582.78,2657.09 1881.99,2657.09 1881.99,2830.32 ; 1645.08,2668.9 1704.13,2668.9 1704.13,2692.52 1645.08,2692.52 1645.08,2668.9 ; 1660.33,2830.32 1664.76,2812.6 1664.76,2783.07 1684.45,2783.07 1684.45,2812.6 1688.88,2830.32 1660.33,2830.32 ; 1760.63,2668.9 1819.68,2668.9 1819.68,2692.52 1760.63,2692.52 1760.63,2668.9 ; 1775.89,2830.32 1804.43,2830.32 1800,2812.6 1800,2783.07 1780.31,2783.07 1780.31,2812.6 1775.89,2830.32
Bottom Overlay:
  drawing of 9 lines, arcs and shapes, not listed
  text "-" at 710.63,2727.36 h157.48 r180
  text "-" at 759.84,2727.36 h157.48 r180
  text "+" at 1271.65,2631.89 h157.48
  text "BUZZER" at 826.77,2596.9 h78.74 r180
  text "USB" at 1574.9,2596.9 h78.74 r180
  text "LIMITER" at 2559.05,2519.68 h78.74 r90
  text "BEAM B" at 2559.06,2165.35 h78.74 r90
  text "POKE A" at 322.09,2007.87 h78.74 r270
  text "Rat Social Box Extension" at 1897.97,1832.44 h62.99 r90
  text "FabLabs 2025" at 1978.68,1832.44 h62.99 r90
  text "BEAM A" at 2559.05,1811.02 h78.74 r90
  text "MOTOR" at 2559.06,1417.32 h78.74 r90
  text "POKE B" at 322.09,1259.84 h78.74 r270
  text "DC12V" at 2455.71,863.72 h78.74 r90
  text "POKE C" at 322.09,511.81 h78.74 r270
  text "CAM A" at 944.88,280.93 h78.74
  text "CAM B" at 1692.91,280.93 h78.74
  text "SYNC" at 2440.94,280.93 h78.74
Board Shape:
  the board outline again, w1.97